# Altium PCB Ethernet2MilProtocolAdapter.PcbDoc (part 1 of 3)
Units mil, origin at the board's own origin, x right, y up, seen from the top; angles counter-clockwise.
Board outline 3750 x 3500 mil, 6 copper layers (SIG TOP, GND 1, PWR, SIG, GND 2, SIG BOT), stack 60.566 mil thick; 244 components, 326 nets, 968 pads, 499 vias.
Unrouted connection lines stored in the file: 227.
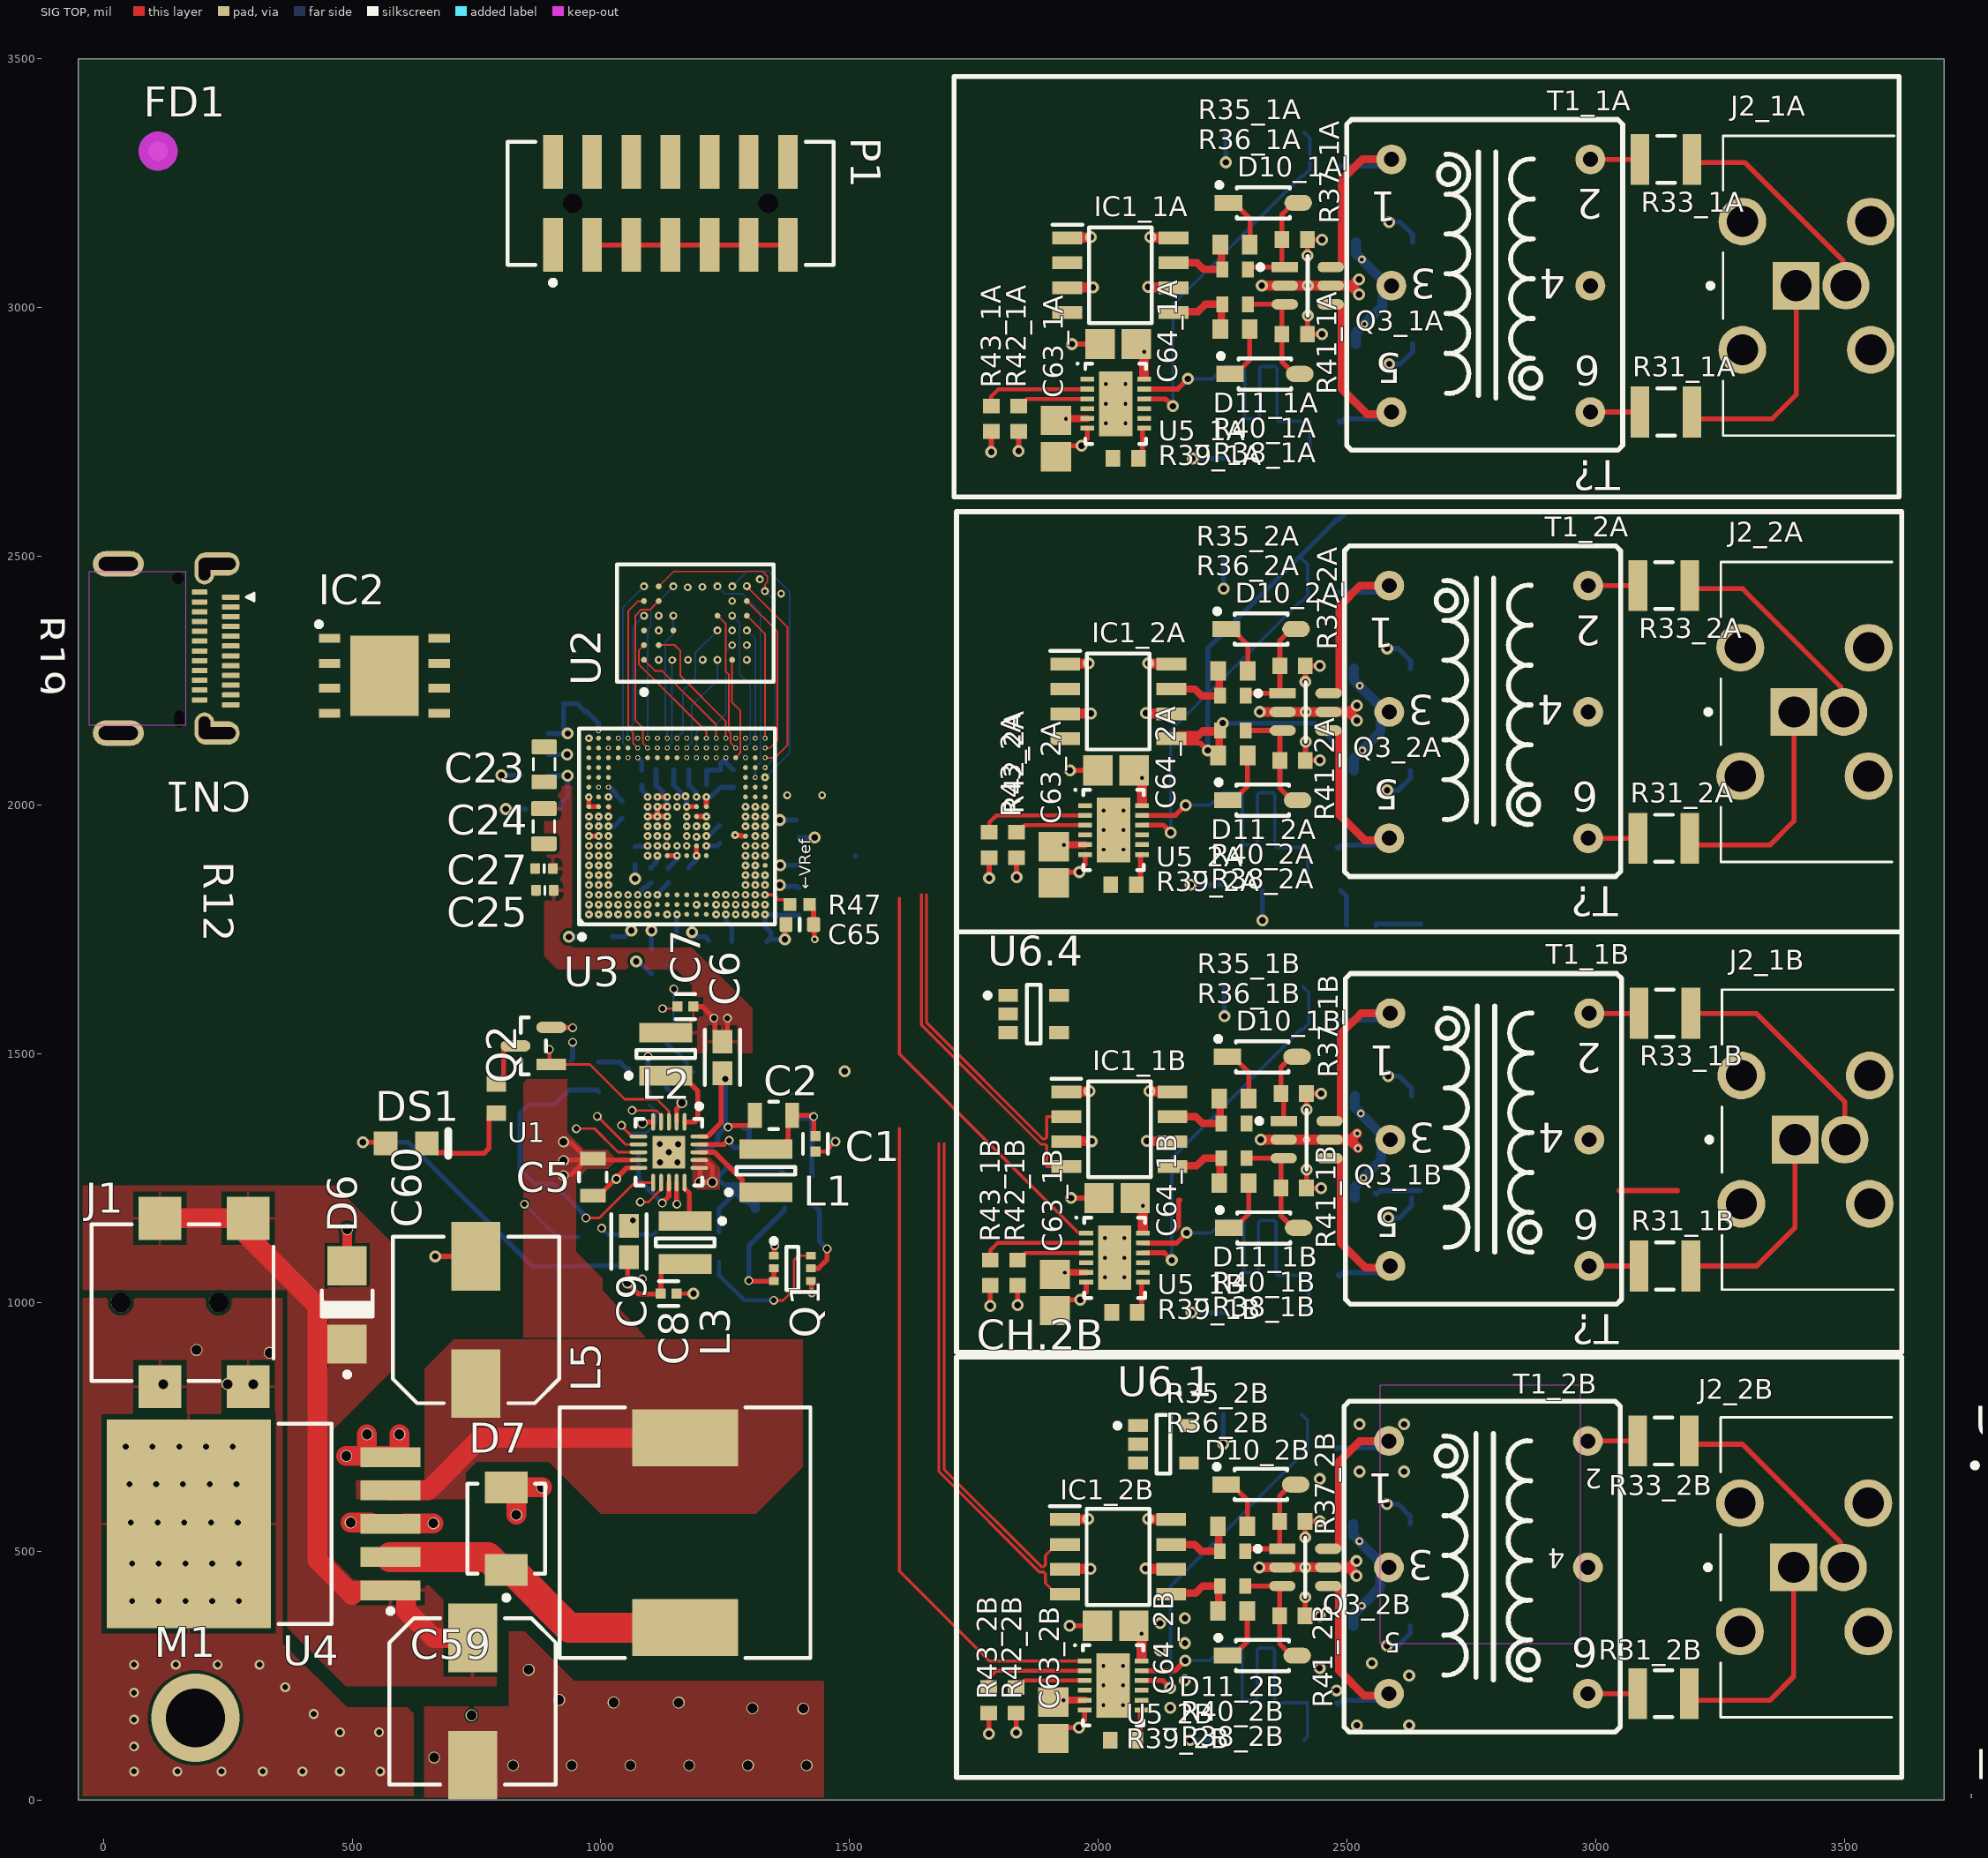
[diagram p0: SIG TOP view]
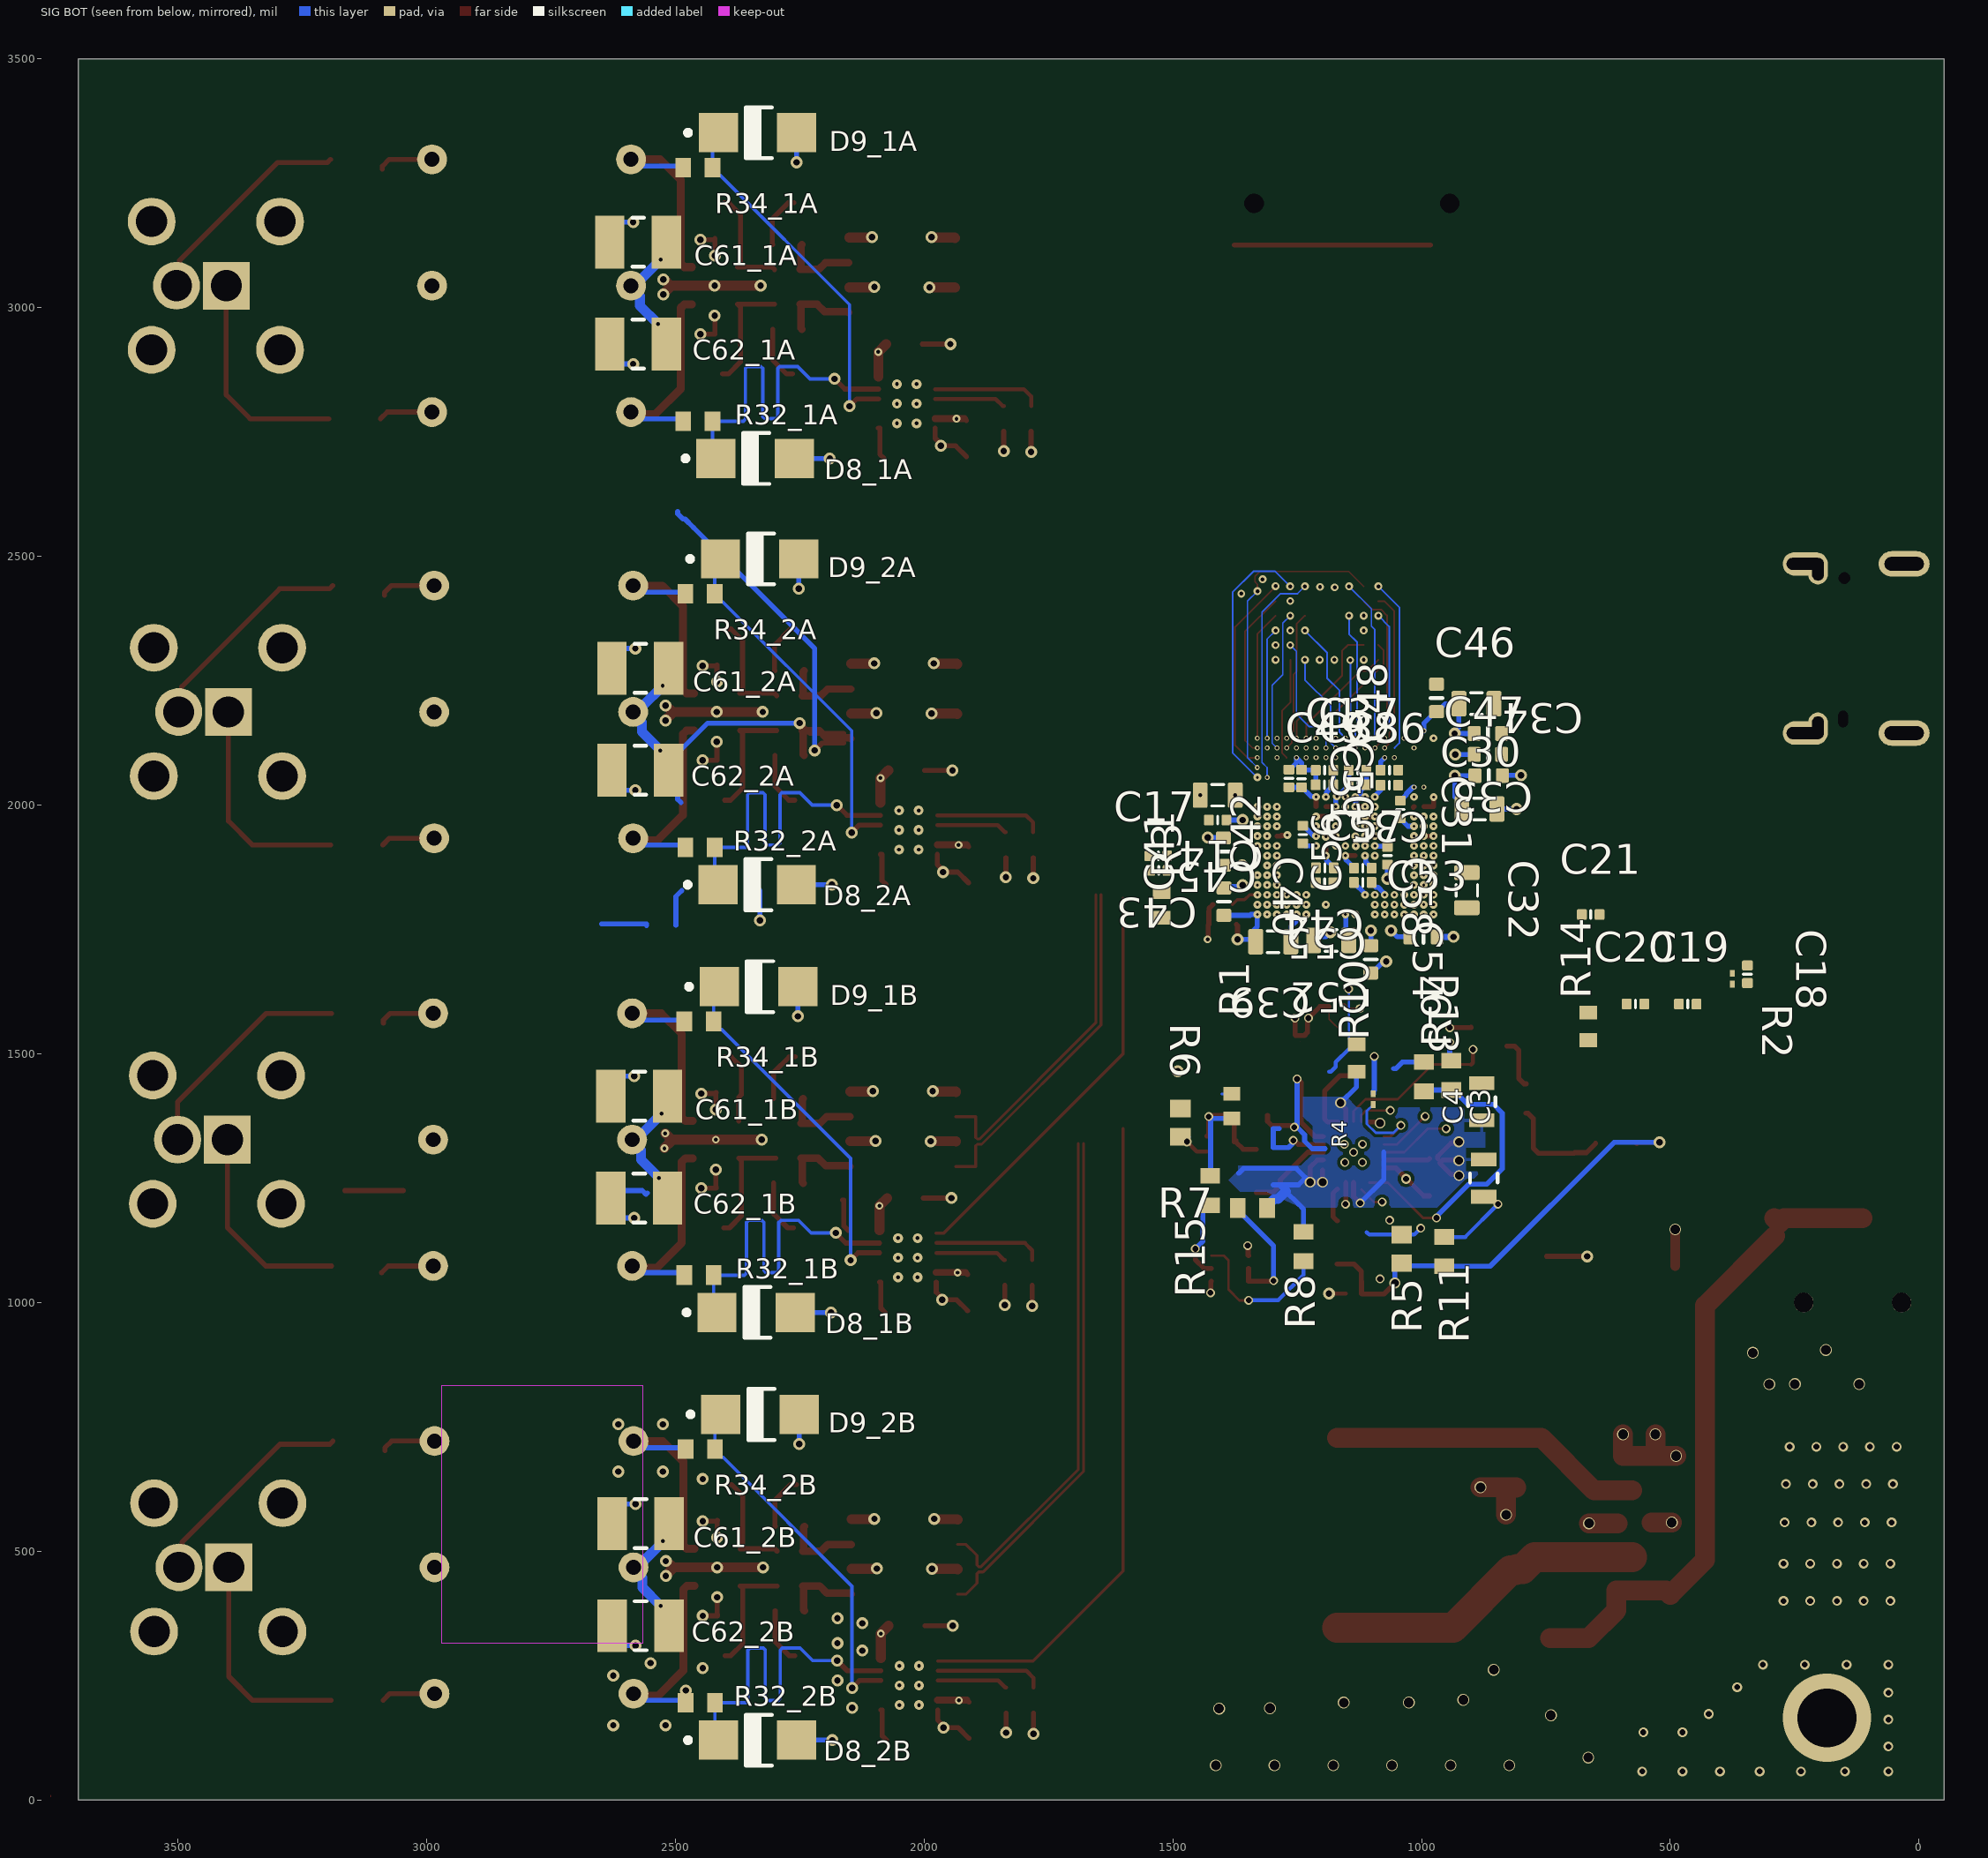
[diagram p1: SIG BOT view, seen from below]
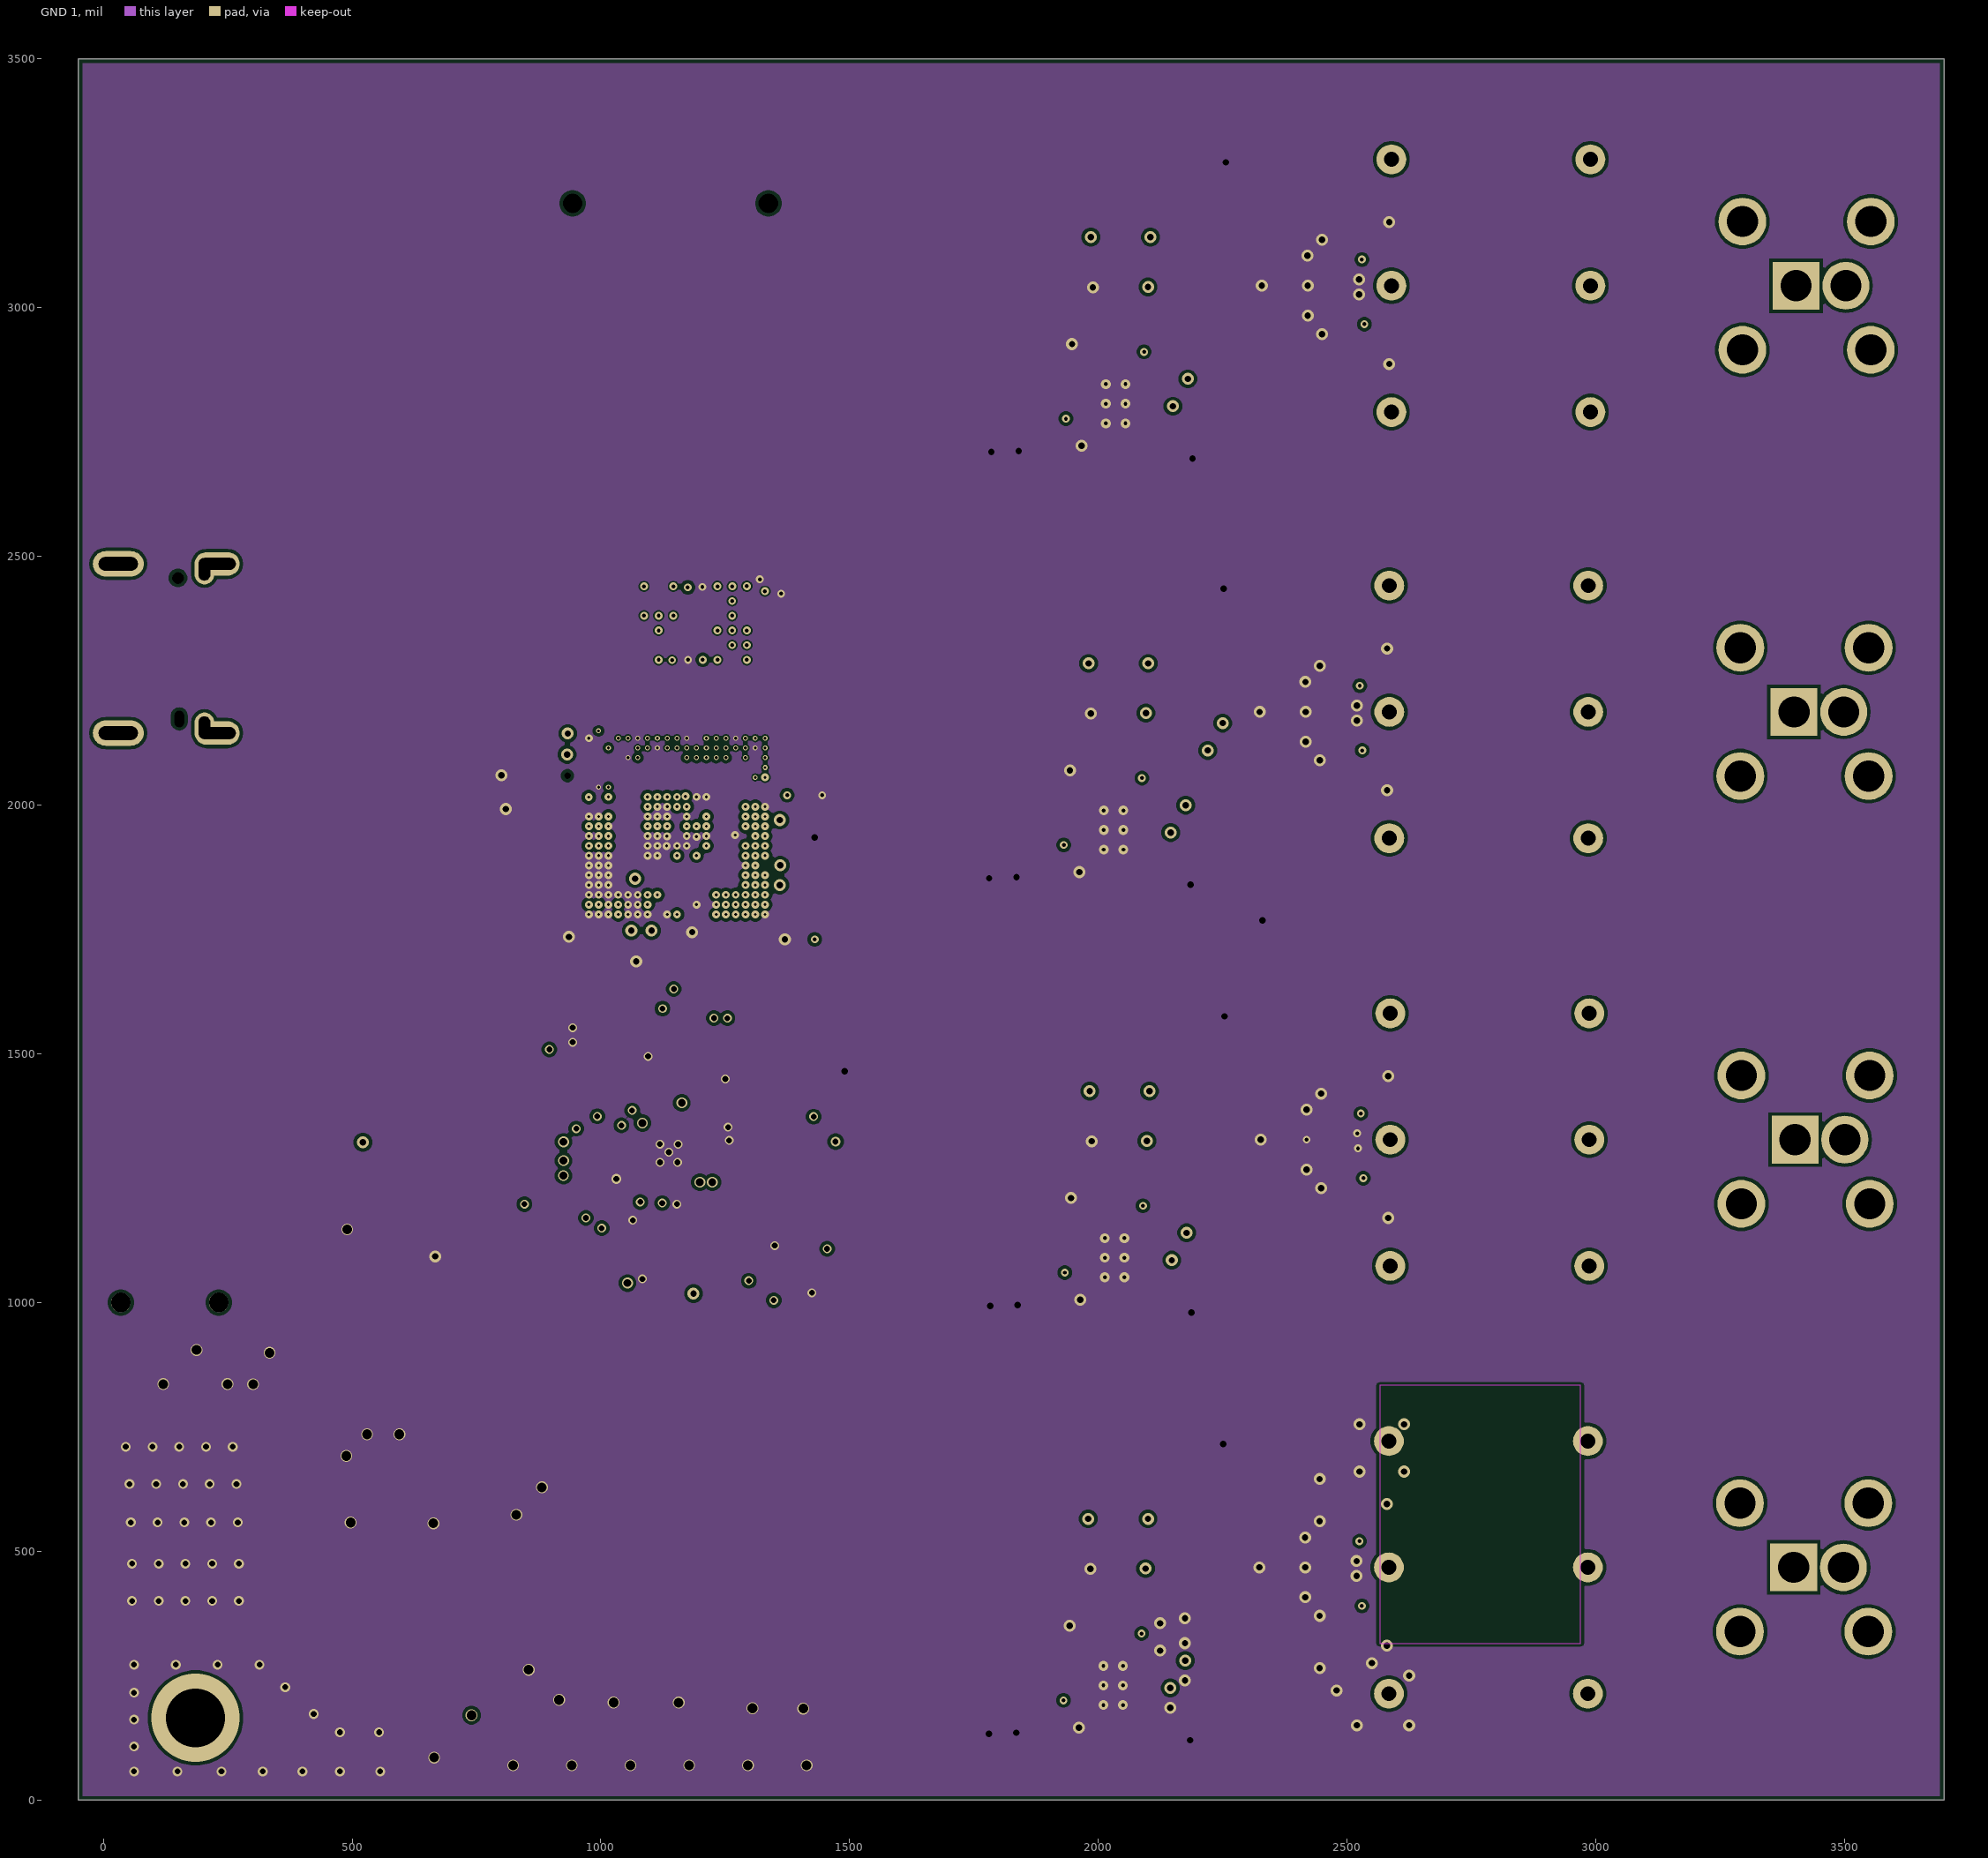
[diagram p2: GND 1]
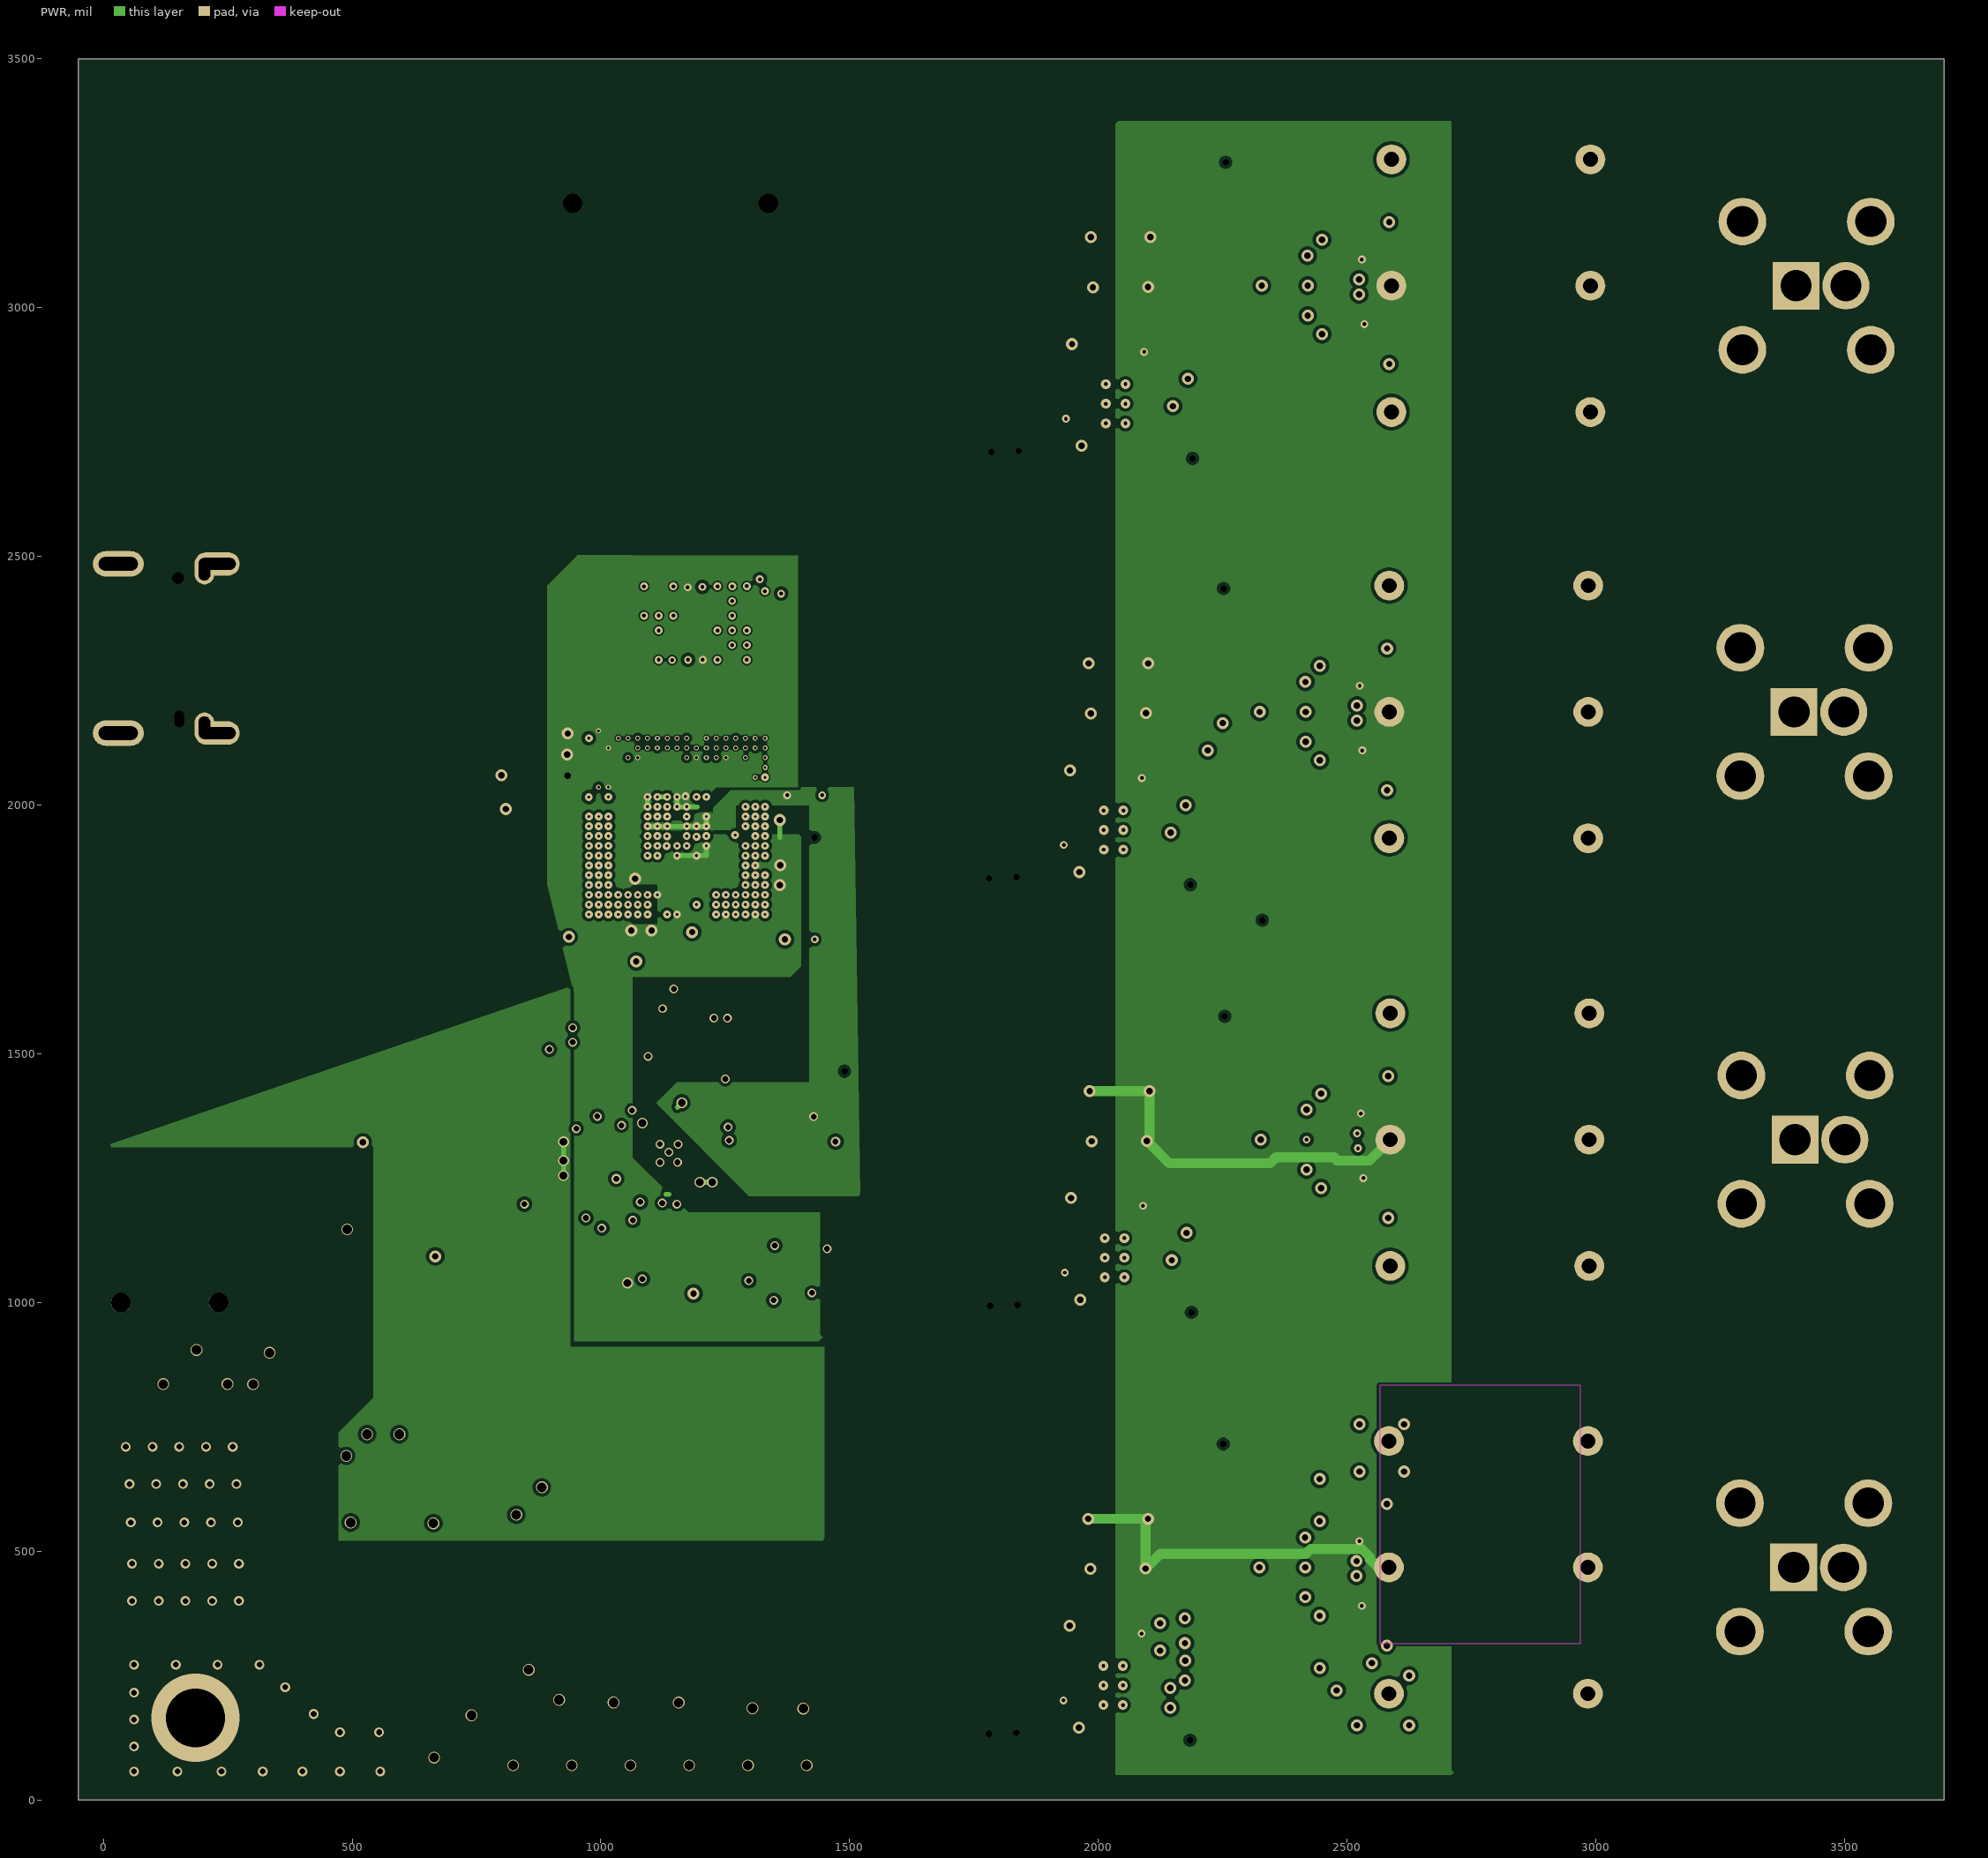
[diagram p3: PWR]